# Altium PCB PCB.PcbDoc (part 1 of 5) (continued)
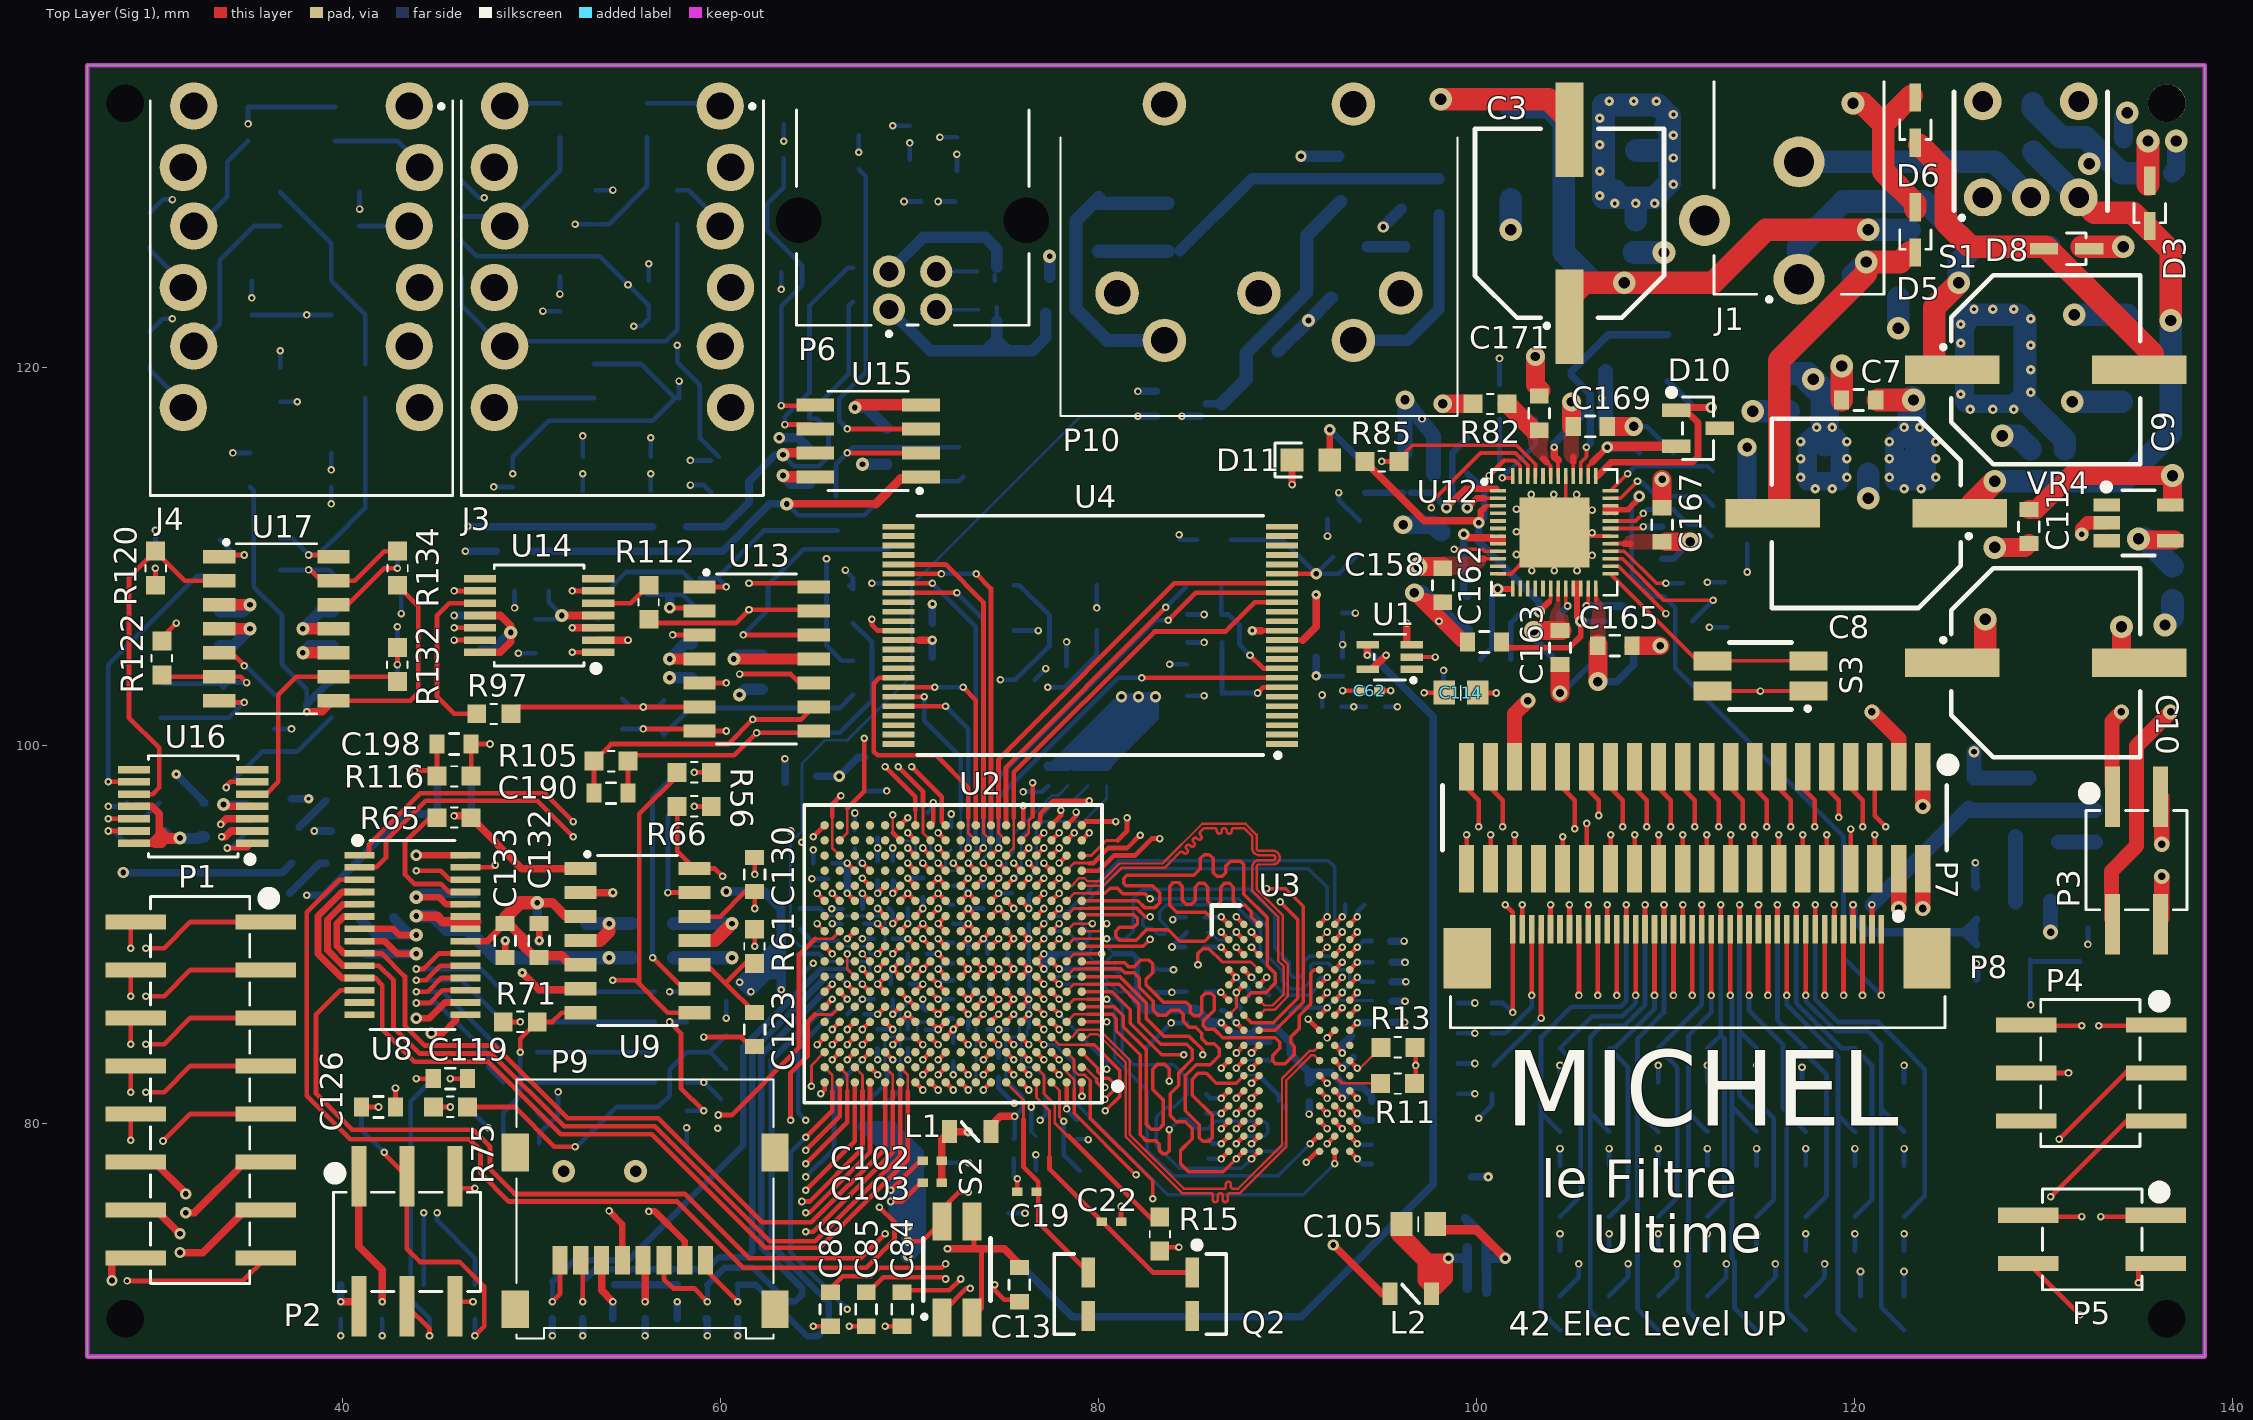
[diagram p0: Top Layer (Sig 1) view]
## Classes and differential pairs
net class MMC: SD_CLK SD_CMD SD_DAT0 SD_DAT1 SD_DAT2 SD_DAT3
net class DIFF100: ACK_N ACK_P ADQSL_N ADQSL_P ADQSU_N ADQSU_P DML
net class CTRL: #CAS #CS #RAS #RESET #WE A0 A1 A2 A3 A4 A5 A6 A7 A8 A9 A10 A11 A12 A13 A14 A15 BA0 BA1 BA2 CKE ODT
net class BANK1: ADQSU_N ADQSU_P DMU DQ8 DQ9 DQ10 DQ11 DQ12 DQ13 DQ14 DQ15
net class BANK0: ADQSL_N ADQSL_P DML DQ0 DQ1 DQ2 DQ3 DQ4 DQ5 DQ6 DQ7
net class CLOCK: ACK_N ACK_P
net class SBS: SB_N SB_P
component class Alimentation: C1 C2 C3 C4 C5 C6 C7 C8 C9 C10 C11 C12 D1 D2 D3 D4 D5 D6 D7 D8 J1 S1 VR1 VR2 VR3 VR4
net class LCD_R[0..7]: LCD_R0 LCD_R1 LCD_R2 LCD_R3 LCD_R4 LCD_R5 LCD_R6 LCD_R7
net class LCD_G[0..7]: LCD_G0 LCD_G1 LCD_G2 LCD_G3 LCD_G4 LCD_G5 LCD_G6 LCD_G7
net class LCD_B[0..7]: LCD_B0 LCD_B1 LCD_B2 LCD_B3 LCD_B4 LCD_B5 LCD_B6 LCD_B7
component class USB: C115 P6 U7
component class PMIC: C158 C159 C160 C161 C162 C163 C164 C165 C166 C167 C168 C169 C170 C171 C172 C173 C174 C175 D10 D11 L5 L6 L7 L8 R81 R82 R83 R84 R85 R86 R87 R88 R89 S3 U12
component class "Part C (Alim)": C49 C50 C51 C52 C53 C54 C55 C56 C57 C58 C59 C60 C61 C62 C63 C64 C65 C66 C67 C68 C69 C70 C71 C72 C73 C74 C75 C76 C77 C78 C79 C80 C81 C82 C83 C84 C85 C86 C87 C88 C89 C90 C91 C92 C93 C94 C95 C96 C97 C98 C99 C100 C101 C102 C103 C104 C105 C106 C107 C108 C109 C110 C111 C112 C113 C114 L1 L2 L3 R15
component class "Part B": C43 C44 C45 C46 C47 C48 P5 U5
component class "Part A": C13 C14 C15 C16 C17 C18 C19 C20 C21 C22 C23 C24 C25 C26 C27 C28 C29 C30 C31 C32 C33 C34 C35 C36 C37 C38 C39 C40 C41 C42 P4 Q1 R3 R4 R5 R6 R7 R8 R9 R10 R11 R12 R13 R14 R138 R139 R321 R322 R323 S2 U1 U2 U3 U4
component class MMC: C117 C118 L4 P9 R52 R53 R54 R55
component class "MIDI IN": D9 P10 R78 R79 R80 U11
component class LCD: C116 P7 P8 Q3 Q4 R16 R17 R18 R19 R20 R21 R22 R23 R24 R25 R26 R27 R28 R29 R30 R31 R32 R33 R34 R35 R36 R37 R38 R39 R40 R41 R42 R43 R44 R45 R46 R47 R48 R49 R50 R51
component class "Codec Audio": C119 C120 C121 C122 C123 C124 C125 C126 C127 C128 C129 C130 C131 C132 C133 C134 C135 C136 C137 C138 C139 C140 C141 C142 C143 C144 R56 R57 R58 R59 R60 R61 R62 R63 R64 R65 R66 R67 R68 R69 R70 R71 R72 R73 R74 R75 U8 U9
component class "Audio IN": C176 C177 C178 C179 C180 C181 C182 C183 C184 C185 C186 C187 C188 C189 C190 C191 C192 C193 C194 C195 C196 C197 C198 J3 R90 R91 R92 R93 R94 R95 R96 R97 R98 R99 R100 R101 R102 R103 R104 R105 R106 R107 R108 R109 R110 R111 R112 R113 R114 R115 R116 U13 U14 U15 "U20_Audio IN"
component class "Audio OUT": C199 C200 C201 C202 C203 C204 C205 C206 C207 C208 C209 J4 R117 R118 R119 R120 R121 R122 R123 R124 R125 R126 R127 R128 R129 R130 R131 R132 R133 R134 R135 R136 R137 U16 U17 "U20_Audio OUT"
component class P0_Main_Connect: P1 P2 P3 R1 R2
differential pair ADQSU: +ADQSU_P -ADQSU_N
differential pair ADQSL: +ADQSL_P -ADQSL_N
differential pair ACK: +ACK_P -ACK_N
differential pair SB: +SB_P -SB_N

## Components (designator, comment, footprint, x,y, rotation, side; value= is the part's Value field where it differs from the comment)
C1 "10uF" CAPC1608X08 133.2,132.2 r180 bottom
C2 "22uF" CAPC1608X08 130.2,115.7 r0 bottom
C3 "470uF" CAPC100100X102 104.9,127.653 r90 top
C4 "10uF" CAPC1608X08 135.8,130.3 r180 bottom
C5 "22uF" CAPC1608X08 116.5,118.6 r90 bottom
C6 "0.47uF" CAPC1608X08 108.4,126.8 r90 bottom
C7 "22uF" CAPC1608X08 120.2,118.3 r0 top
C8 "470uF" CAPC100100X102 120.6,112.3 r180 top
C9 "470uF" CAPC100100X102 130.1,119.9 r0 top
C10 "470uF" CAPC100100X102 130.1,104.4 r0 top
C11 "1uF" CAPC1608X08 129.2,111.6 r90 top
C12 "22uF" CAPC1608X08 136.8,108.6 r90 bottom
C13 "1uF" CAPC1608X08 75.8,71.5 r90 top
C14 "100nF" "CAPC1005X05 (0402)" 94.45,80.7 r90 bottom
C15 "18pF" "CAPC1005X05 (0402)" 78.3,103.7 r90 bottom
C16 "100nF" "CAPC1005X05 (0402)" 85.1,85.35 r180 bottom
C17 "100nF" "CAPC1005X05 (0402)" 91.125,81.675 r270 bottom
C18 "18pF" "CAPC1005X05 (0402)" 76.1,103.5 r0 bottom
C19 "12pF" "CAPC1005X05 (0402)" 76.2,76.425 r180 top
C20 "100nF" "CAPC1005X05 (0402)" 88.5,86.85 r0 bottom
C21 "100nF" "CAPC1005X05 (0402)" 95.025,87.525 r180 bottom
C22 "12pF" "CAPC1005X05 (0402)" 80.675,74.825 r0 top
C23 "100nF" "CAPC1005X05 (0402)" 85.175,91 r0 bottom
C24 "100nF" "CAPC1005X05 (0402)" 75.775,87.375 r0 bottom
C25 "100nF" "CAPC1005X05 (0402)" 87.025,86.075 r180 bottom
C26 "100nF" "CAPC1005X05 (0402)" 85.175,90.15 r0 bottom
C27 "100nF" "CAPC1005X05 (0402)" 85.15,87.025 r0 bottom
C28 "100nF" "CAPC1005X05 (0402)" 85.175,89.3 r0 bottom
C29 "100nF" "CAPC1005X05 (0402)" 94.95,89.675 r180 bottom
C30 "100nF" "CAPC1005X05 (0402)" 95,88.55 r180 bottom
C31 "100nF" "CAPC1005X05 (0402)" 95,85.35 r180 bottom
C32 "100nF" "CAPC1005X05 (0402)" 85.85,78.65 r90 bottom
C33 "100nF" "CAPC1005X05 (0402)" 95,86.5 r180 bottom
C34 "100nF" "CAPC1005X05 (0402)" 94.45,78.4 r90 bottom
C35 "100nF" "CAPC1005X05 (0402)" 93.55,91.6 r180 bottom
C36 "100nF" "CAPC1005X05 (0402)" 89.075,83.875 r270 bottom
C37 "100nF" "CAPC1005X05 (0402)" 93.525,84.1 r270 bottom
C38 "100nF" "CAPC1005X05 (0402)" 85.625,81.075 r270 bottom
C39 "100nF" CAPC1608X08 92.1,111.1 r270 bottom
C40 "100nF" CAPC1608X08 71.2,105.6 r270 bottom
C41 "100nF" CAPC1608X08 91.5,105.6 r90 bottom
C42 "100nF" "CAPC1005X05 (0402)" 82.47,86.99 r180 bottom
C43 "1nF" CAPC1608X08 99.9,83.2 r0 bottom
C44 "1nF" CAPC1608X08 99.9,81.6 r0 bottom
C45 "1nF" CAPC1608X08 99.9,84.8 r0 bottom
C46 "1nF" CAPC1608X08 99.9,86.4 r0 bottom
C47 "10nF" "CAPC1005X05 (0402)" 100,72.3 r180 bottom
C48 "100nF" "CAPC1005X05 (0402)" 100,73.5 r180 bottom
C49 "100nF" "CAPC1005X05 (0402)" 67.1,91.4 r0 bottom
C50 "100nF" "CAPC1005X05 (0402)" 75.875,92.2 r0 bottom
C51 "22uF/6.3V" "0805 (2012 metric)" 99.125,102.825 r180 bottom
C52 "100nF" "CAPC1005X05 (0402)" 68.675,89.8 r0 bottom
C53 "100nF" "CAPC1005X05 (0402)" 72.325,88.1 r270 bottom
C54 "100nF" "CAPC1005X05 (0402)" 94.325,102.925 r0 bottom
C55 "100nF" "CAPC1005X05 (0402)" 73.775,87.4 r0 bottom
C56 "100nF" "CAPC1005X05 (0402)" 72.325,90.125 r90 bottom
C57 "100nF" "CAPC1005X05 (0402)" 73.75,89 r0 bottom
C58 "100nF" "CAPC1005X05 (0402)" 69.475,91.4 r180 bottom
C59 "100nF" "CAPC1005X05 (0402)" 92.9,106.525 r270 bottom
C60 "100nF" "CAPC1005X05 (0402)" 72.3,92.1 r90 bottom
C61 "100nF" "CAPC1005X05 (0402)" 70.325,89 r180 bottom
C62 "100nF" "CAPC1005X05 (0402)" 94.325,102.925 r0 top
C63 "100nF" "CAPC1005X05 (0402)" 92.325,102.075 r180 bottom
C64 "100nF" "CAPC1005X05 (0402)" 92.9,104.2 r90 bottom
C65 "100nF" "CAPC1005X05 (0402)" 67.1,90.6 r0 bottom
C66 "100nF" "CAPC1005X05 (0402)" 67.1,95.1 r270 bottom
C67 "100nF" "CAPC1005X05 (0402)" 80.425,98.4 r270 bottom
C68 "100nF" "CAPC1005X05 (0402)" 72.3,86.225 r270 bottom
C69 "100nF" "CAPC1005X05 (0402)" 71.191,77.956 r0 bottom
C70 "100nF" "CAPC1005X05 (0402)" 78.381,98.409 r270 bottom
C71 "100nF" "CAPC1005X05 (0402)" 63.7,89 r0 bottom
C72 "100nF" "CAPC1005X05 (0402)" 63.7,90.3 r0 bottom
C73 "100nF" "CAPC1005X05 (0402)" 78.85,79.7 r90 bottom
C74 "100nF" "CAPC1005X05 (0402)" 68.6,80.4 r90 bottom
C75 "100nF" "CAPC1005X05 (0402)" 68.65,86.6 r0 bottom
C76 "100nF" "CAPC1005X05 (0402)" 67.5,80.4 r90 bottom
C77 "100nF" "CAPC1005X05 (0402)" 69.5,87.4 r180 bottom
C78 "100nF" "CAPC1005X05 (0402)" 69.9,84.525 r90 bottom
C79 "100nF" "CAPC1005X05 (0402)" 70.85,85.425 r270 bottom
C80 "100nF" "CAPC1005X05 (0402)" 70.775,92.6 r90 bottom
C81 "100nF" "CAPC1005X05 (0402)" 73.9,91.8 r90 bottom
C82 "100nF" "CAPC1005X05 (0402)" 69.1,93.425 r270 bottom
C83 "22uF/6.3V" "0805 (2012 metric)" 64.3,98.1 r180 bottom
C84 "1uF" CAPC1608X08 69.6,70.2 r90 top
C85 "1uF" CAPC1608X08 67.7,70.2 r90 top
C86 "1uF" CAPC1608X08 65.8,70.2 r90 top
C87 "100nF" "CAPC1005X05 (0402)" 67.175,85.825 r180 bottom
C88 "100nF" "CAPC1005X05 (0402)" 73.55,85 r180 bottom
C89 "100nF" "CAPC1005X05 (0402)" 68.275,84.525 r90 bottom
C90 "100nF" "CAPC1005X05 (0402)" 68.3,93.4 r270 bottom
C91 "100nF" "CAPC1005X05 (0402)" 68.675,95.325 r0 bottom
C92 "100nF" "CAPC1005X05 (0402)" 65.55,93.8 r0 bottom
C93 "100nF" "CAPC1005X05 (0402)" 63.7,91.5 r0 bottom
C94 "100nF" "CAPC1005X05 (0402)" 66.225,92.975 r0 bottom
C95 "22uF/6.3V" "0805 (2012 metric)" 67.6,98.5 r270 bottom
C96 "100nF" "CAPC1005X05 (0402)" 77.325,98.4 r90 bottom
C97 "100nF" "CAPC1005X05 (0402)" 79.425,98.4 r90 bottom
C98 "100nF" "CAPC1005X05 (0402)" 75.5,78.7 r270 bottom
C99 "100nF" "CAPC1005X05 (0402)" 72.3,83.775 r90 bottom
C100 "100nF" "CAPC1005X05 (0402)" 63.7,88 r0 bottom
C101 "100nF" "CAPC1005X05 (0402)" 70.8,95.8 r270 bottom
C102 "100nF" "CAPC1005X05 (0402)" 71.191,78.043 r0 top
C103 "100nF" "CAPC1005X05 (0402)" 71.192,76.9 r0 top
C104 "100nF" "CAPC1005X05 (0402)" 100.008,71.1 r180 bottom
C105 "22uF/6.3V" "0805 (2012 metric)" 96.9,74.7 r180 top
C106 "10nF" "CAPC1005X05 (0402)" 74.7,83.025 r270 bottom
C107 "1uF" CAPC1608X08 76.675,78.45 r270 bottom
C108 "10nF" "CAPC1005X05 (0402)" 72.2,95.025 r90 bottom
C109 "100nF" "CAPC1005X05 (0402)" 75.75,90.6 r0 bottom
C110 "100nF" "CAPC1005X05 (0402)" 75.75,85 r0 bottom
C111 "100nF" "CAPC1005X05 (0402)" 75.75,88.975 r0 bottom
C112 "100nF" "CAPC1005X05 (0402)" 77.2,81.9 r90 bottom
C113 "100nF" "CAPC1005X05 (0402)" 94.65,102.075 r0 bottom
C114 "22uF/6.3V" "0805 (2012 metric)" 99.15,102.8 r180 top
C115 "0.1uF" CAPC1608X08 77.4,123.8 r90 bottom
C116 "Cap" CAPC1608X08 126.425,88.575 r90 bottom
C117 "Cap" CAPC1608X08 57.7,70.6 r90 bottom
C118 "Cap" CAPC1608X08 54.3,70.6 r270 bottom
C119 "470pF" CAPC1608X08 45.7,82.4 r180 top
C120 "330pF" CAPC1608X08 45.9,98.1 r180 bottom
C121 "1500pF" CAPC1608X08 58.2,79.8 r90 bottom
C122 "10uF" CAPC1608X08 38.2,93.8 r180 bottom
C123 "470pF" CAPC1608X08 61.8,85 r270 top
C124 "0.1uF" CAPC1608X08 50.4,89.7 r270 bottom
C125 "330pF" CAPC1608X08 49.4,80.6 r0 bottom
C126 "470pF" CAPC1608X08 41.9,80.9 r180 top
C127 "10uF" CAPC1608X08 38.2,97.2 r180 bottom
C128 "1500pF" CAPC1608X08 60.275,82.225 r270 bottom
C129 "0.1uF" CAPC1608X08 48.6,89.7 r270 bottom
C130 "470pF" CAPC1608X08 61.8,93.2 r90 top
C131 "10uF" CAPC1608X08 55.3,89.7 r270 bottom
C132 "10uF" CAPC1608X08 50.4,89.7 r90 top
C133 "0.1uF" CAPC1608X08 48.6,89.7 r90 top
C134 "10uF" CAPC1608X08 40.9,90 r270 bottom
C135 "0.1uF" CAPC1608X08 42.7,90 r90 bottom
C136 "10uF" CAPC1608X08 45.2,91.4 r270 bottom
C137 "0.1uF" CAPC1608X08 47,91.4 r90 bottom
C138 "0.1uF" CAPC1608X08 52.9,89.7 r90 bottom
C139 "10uF" CAPC1608X08 59.4,89.7 r90 bottom
C140 "0.1uF" CAPC1608X08 57.5,89.7 r270 bottom
C141 "10uF" CAPC1608X08 49.4,85.4 r180 bottom
C142 "10uF" CAPC1608X08 49.4,87 r180 bottom
C143 "10uF" CAPC1608X08 49.4,82.2 r180 bottom
C144 "10uF" CAPC1608X08 49.4,83.8 r180 bottom
C158 "Cap" CAPC1608X08 98.2,108.5 r90 top
C159 "Cap" CAPC1608X08 103.1,118.2 r270 bottom
C160 "Cap" CAPC1608X08 101.2,118.2 r270 bottom
C161 "Cap" CAPC1608X08 99.4,107 r90 bottom
C162 "Cap" CAPC1608X08 100.4,105.5 r0 top
C163 "Cap" CAPC1608X08 104.4,105.2 r270 top
C164 "Cap" CAPC1608X08 106.6,105.5 r90 bottom
C165 "Cap" CAPC1608X08 107.3,105.3 r0 top
C166 "Cap" CAPC1608X08 113.4,110.7 r180 bottom
C167 "Cap" CAPC1608X08 109.8,111.7 r90 top
C168 "Cap" CAPC1608X08 105.9,119.8 r180 bottom
C169 "Cap" CAPC1608X08 106,116.9 r180 top
C170 "Cap" CAPC1608X08 105.9,116.9 r180 bottom
C171 "Cap" CAPC1608X08 103.3,117.6 r270 top
C172 "Cap" CAPC1608X08 109.5,115.6 r180 bottom
C173 "Cap" CAPC1608X08 98.6,116.3 r0 bottom
C174 "Cap" CAPC1608X08 98.6,114.4 r180 bottom
C175 "Cap" CAPC1608X08 96.1,114.3 r90 bottom
C176 "100pF" CAPC1608X08 58.9,108 r90 bottom
C177 "100pF" CAPC1608X08 71,114.9 r270 bottom
C178 "10uF" CAPC1608X08 53.3,119.3 r270 bottom
C179 "100pF" CAPC1608X08 72.5,131.3 r90 bottom
C180 "22uF" CAPC1608X08 49.025,110.3 r0 bottom
C181 "220pF" CAPC1608X08 57.8,119.3 r90 bottom
C182 "100pF" CAPC1608X08 71.5,128.8 r180 bottom
C183 "10uF" CAPC1608X08 53.3,128.5 r270 bottom
C184 "100pF" CAPC1608X08 54.8,101.6 r270 bottom
C185 "0.1uF" CAPC1608X08 64.7,114.8 r90 bottom
C186 "0.1uF" CAPC1608X08 58.5,104.5 r270 bottom
C187 "0.1uF" CAPC1608X08 47.3,105.8 r90 bottom
C188 "0.1uF" CAPC1608X08 62.2,104 r90 bottom
C189 "0.1uF" CAPC1608X08 68.8,115.9 r90 bottom
C190 "100pF" CAPC1608X08 54.2,97.5 r0 top
C191 "100pF" CAPC1608X08 64.7,118.2 r270 bottom
C192 "10uF" CAPC1608X08 46.05,125.8 r270 bottom
C193 "100pF" CAPC1608X08 70,131.9 r90 bottom
C194 "22uF" CAPC1608X08 57.3,111.6 r0 bottom
C195 "220pF" CAPC1608X08 56.3,123.7 r90 bottom
C196 "100pF" CAPC1608X08 68.9,109.5 r90 bottom
C197 "10uF" CAPC1608X08 46.05,129 r270 bottom
C198 "100pF" CAPC1608X08 45.9,100.1 r0 top
C199 "22uF" CAPC1608X08 39.4,114.6 r270 bottom
C200 "100pF" CAPC1608X08 33.5,102.39 r90 bottom
C201 "100pF" CAPC1608X08 30.1,109.4 r270 bottom
C202 "22uF" CAPC1608X08 36.7,119.1 r270 bottom
C203 "22uF" CAPC1608X08 35.1,114.6 r270 bottom
C204 "100pF" CAPC1608X08 39.523,110.01 r270 bottom
C205 "100pF" CAPC1608X08 42.9,104.3 r270 bottom
C206 "22uF" CAPC1608X08 41.2,119.3 r270 bottom
C207 "0.1uF" CAPC1608X08 33.5,106.2 r90 bottom
C208 "0.1uF" CAPC1608X08 32.5,96.1 r90 bottom
C209 "0.1uF" CAPC1608X08 39.5,106.2 r90 bottom
D1 "1N4148WS-7" SOD323-M 129.2,132.4 r270 bottom
D2 "1N4148WS-7" SOD323-M 123.8,127.5 r0 bottom
D3 "1N4148WS-7" SOD323-M 135.6,128.7 r90 top
D4 "1N4148WS-7" SOD323-M 131.2,126.3 r0 bottom
D5 "1N4148WS-7" SOD323-M 123.2,127.3 r90 top
D6 "1N4148WS-7" SOD323-M 123.2,133.1 r90 top
D7 "1N4148WS-7" SOD323-M 121.099,124 r180 bottom
D8 "1N4148WS-7" SOD323-M 131.2,126.3 r180 top
D9 "1N4148WS-7" SOD323-M 80,127.8 r90 bottom
D10 "D Zener" MF03A-M 111.7,116.8 r270 top
D11 "Blanc" LED_LNJ 91.225,115.125 r0 top
J1 "9VAC Input" "CLIFF ELECTRONIC COMPONENTS_FC681465P" 117.043,130.891 r270 top
J2 "Pad traversant" Pad 79,77.525 r180 bottom
J3 "Double Jack" Amphenol_ACJS-MHDC 54.275,125.628 r90 top locked
J4 "Double Jack" Amphenol_ACJS-MHDC 37.825,125.628 r90 top locked
L1 "FB0805/600R/2A" IND2012X8 74.3,79.6 r180 top
L2 "FB0805/600R/2A" IND2012X8 97.6,71.013 r180 top
L3 "FB0805/600R/2A" IND2012X8 99.4,75 r90 bottom
L4 "Inductor" INDM1608X08N 56,70.6 r90 bottom
L5 "Inductor" INDM1608X08N 104.4,105.2 r270 bottom
L6 "Inductor" INDM1608X08N 108.3,106.3 r270 bottom
L7 "Inductor" INDM1608X08N 109.8,110.8 r270 bottom
L8 "Inductor" INDM2612X12N 110.1,120.6 r270 bottom
P1 "Header 8X2" CONN_1241050-8_T 32.5,81.8 r270 top locked
P2 "Header 3X2" CONN_1241050-3_T 43.4,73.8 r0 top locked
P3 "Header 2X2" CONN_1241050-2_T 134.9,94 r180 top
P4 "Header" CONN_1241050-3_T 132.5,82.7 r270 top
P5 "Header" CONN_1241050-2_T 132.6,73.9 r90 top
P6 "1734346-1" CONN4-292304 71.405,121.646 r180 top locked
P7 "MALE-PA16X" MALE-PAV16X-2x05 111.525,96.2 r270 top locked
P8 "4-1734592-0" TE_4-1734592-0 101.9,89.792 r180 top locked
P9 "MICRO_SD" "WURTH ELEKTRONIK_693072010801" 56,72.8 r0 top locked
P10 "DIN 5" "PRO SIGNAL_PSG03463" 88.475,129.45 r0 top locked
Q1 "OSC0/24MHz" SON440P360X120-4N 77.7,107.3 r270 bottom
Q2 "OSC1/32,768KHz" SON550P380X250-4N 82.2,71 r270 top
Q3 "NPN" SOT95P234X111-3N 129.425,90.175 r270 bottom
Q4 "PNP" SOT95P234X111-3N 129.475,96.6 r90 bottom
R1 "Res1" RESC1608X05 44.6,70.6 r90 bottom
R2 "Res1" RESC1608X05 47,70.6 r90 bottom
R3 "Res2" RESC1608X05 75.125,74.45 r90 bottom
R4 "2.2K 1%" RESC1608X05 90.13,84.98 r90 bottom
R5 "2.2K 1%" RESC1608X05 82.41,84.96 r90 bottom
R6 "Res1" RESC1608X05 85.6,102.625 r0 bottom
R7 "Res1" RESC1608X05 85.575,105.475 r180 bottom
R8 "Res1" RESC1608X05 85.6,104.025 r0 bottom
R9 "Res1" RESC1608X05 85.575,106.95 r180 bottom
R10 "Res1" RESC1608X05 93.8,111 r270 bottom
R11 "240 1%" RESC1608X05 95.81,82.15 r0 top
R12 "10K" RESC1608X05 89.88,79.94 r90 bottom
R13 "10K" RESC1608X05 95.83,84.05 r180 top
R14 "49.9R 1%" RESC1608X05 82.145,88.155 r180 bottom
R15 "10K" RESC1608X05 83.225,74.175 r90 top
R16 "Res1" RESC1608X05 132.325,89.475 r270 bottom
R17 "Res1" RESC1608X05 126.25,97.5 r270 bottom
R18 "Res1" RESC1608X05 132.725,95.775 r90 bottom
R19 "Res1" RESC1608X05 126.425,91.7 r270 bottom
R20 "Res1" RESC1608X05 122.6,74.2 r270 bottom
R21 "Res1" RESC1608X05 122.597,70 r90 bottom
R22 "Res1" RESC1608X05 120,83.1 r270 bottom
R23 "Res1" RESC1608X05 119.997,70 r90 bottom
R24 "Res1" RESC1608X05 117.4,74.2 r270 bottom
R25 "Res1" RESC1608X05 117.397,70 r90 bottom
R26 "Res1" RESC1608X05 114.8,74.2 r270 bottom
R27 "Res1" RESC1608X05 114.797,70 r90 bottom
R28 "Res1" RESC1608X05 112.2,74.2 r270 bottom
R29 "Res1" RESC1608X05 112.2,78.7 r270 bottom
R30 "Res1" RESC1608X05 109.6,74.2 r270 bottom
R31 "Res1" RESC1608X05 109.6,70 r90 bottom
R32 "Res1" RESC1608X05 106.997,74.2 r270 bottom
R33 "Res1" RESC1608X05 107,70.007 r90 bottom
R34 "Res1" RESC1608X05 104.4,83.1 r270 bottom
R35 "Res1" RESC1608X05 104.397,70 r90 bottom
R36 "Res1" RESC1608X05 122.6,83.1 r90 bottom
R37 "Res1" RESC1608X05 122.6,78.7 r90 bottom
R38 "Res1" RESC1608X05 120,74.2 r90 bottom
R39 "Res1" RESC1608X05 120,78.7 r90 bottom
R40 "Res1" RESC1608X05 117.2,83 r90 bottom
R41 "Res1" RESC1608X05 117.4,78.7 r90 bottom
R42 "Res1" RESC1608X05 114.8,83.1 r90 bottom
R43 "Res1" RESC1608X05 114.8,78.7 r90 bottom
R44 "Res1" RESC1608X05 112.2,83.1 r90 bottom
R45 "Res1" RESC1608X05 112.2,70 r270 bottom
R46 "Res1" RESC1608X05 109.6,83.1 r90 bottom
R47 "Res1" RESC1608X05 109.6,78.7 r90 bottom
R48 "Res1" RESC1608X05 107,83.1 r90 bottom
R49 "Res1" RESC1608X05 107,78.7 r90 bottom
R50 "Res1" RESC1608X05 104.4,74.2 r90 bottom
R51 "Res1" RESC1608X05 104.4,78.7 r90 bottom
R52 "Res1" RESC1608X05 59.3,70.6 r90 bottom
R53 "Res1" RESC1608X05 52.7,70.6 r90 bottom
R54 "Res1" RESC1608X05 51.1,70.6 r90 bottom
R55 "Res1" RESC1608X05 60.9,70.6 r90 bottom
R56 "7.5k" RESC1608X05 58.6,98.6 r180 top
R57 "10k" RESC1608X05 57.3,85.4 r0 bottom
R58 "820" RESC1608X05 58.6,98.6 r180 bottom
R59 "100" RESC1608X05 45.7,82.4 r180 bottom
R60 "10k" RESC1608X05 57.3,87 r0 bottom
R61 "820" RESC1608X05 61.8,89.4 r270 top
R62 "10k" RESC1608X05 45.9,96.4 r0 bottom
R63 "7.5k" RESC1608X05 45.7,80.9 r180 bottom
R64 "20k" RESC1608X05 38.1,92.1 r0 bottom
R65 "1k" RESC1608X05 45.9,96.2 r180 top
R66 "7.5k" RESC1608X05 58.6,96.8 r180 top
R67 "10k" RESC1608X05 49.5,79 r180 bottom
R68 "10k" RESC1608X05 57.3,82.2 r0 bottom
R69 "820" RESC1608X05 58.6,96.8 r180 bottom
R70 "20k" RESC1608X05 38.5,95.5 r0 bottom
R71 "1k" RESC1608X05 49.4,85.4 r180 top
R72 "100" RESC1608X05 41.9,80.9 r180 bottom
R73 "10k" RESC1608X05 57.3,83.8 r0 bottom
R74 "820" RESC1608X05 60.3,85.6 r90 bottom
R75 "7.5k" RESC1608X05 45.7,80.9 r180 top
R78 "220" RESC1608X05 98,129 r90 bottom
R79 "470" RESC1608X05 88.7,120.7 r0 bottom
R80 "1k" RESC1608X05 96.2,127.3 r270 bottom
R81 "Res1" RESC1608X05 98.2,110.4 r270 bottom
R82 "Res1" RESC1608X05 100.7,118.1 r0 top
R83 "Res1" RESC1608X05 112.2,108.7 r0 bottom
R84 "Res1" RESC1608X05 112.3,106.3 r0 bottom
R85 "Res1" RESC1608X05 94.975,115.05 r180 top
R86 "Res1" RESC1608X05 101.1,104.6 r0 bottom
R87 "Res1" RESC1608X05 113.4,112.7 r180 bottom
R88 "Res1" RESC1608X05 113.4,114.5 r180 bottom
R89 "Res1" RESC1608X05 94.1,114.3 r90 bottom
R90 "10k" RESC1608X05 55,108.3 r180 bottom
R91 "10k" RESC1608X05 66.2,112.2 r90 bottom
R92 "10k" RESC1608X05 72.8,114.9 r270 bottom
R93 "100k" RESC1608X05 51.5,123.9 r270 bottom
R94 "10k" RESC1608X05 49,114.4 r90 bottom
R95 "100k" RESC1608X05 56.1,133.1 r90 bottom
R96 "10k" RESC1608X05 59.9,114.4 r270 bottom
R97 "220" RESC1608X05 48,101.7 r0 top
R98 "10k" RESC1608X05 67,103.6 r270 bottom
R99 "10k" RESC1608X05 67.3,131.4 r90 bottom
R100 "100k" RESC1608X05 42.1,70.6 r270 bottom
R101 "10k" RESC1608X05 57,101.5 r270 bottom
R102 "0R" RESC1608X05 53.5,105.8 r90 bottom
R103 "0R" RESC1608X05 50.2,105.8 r90 bottom
R104 "0R" RESC1608X05 50,108.2 r0 bottom
R105 "10k" RESC1608X05 54.2,99.2 r0 top
R106 "10k" RESC1608X05 67,107.4 r90 bottom
R107 "10k" RESC1608X05 66.725,124.4 r270 bottom
R108 "100k" RESC1608X05 57.7,128.5 r270 bottom
R109 "10k" RESC1608X05 56.3,114.4 r90 bottom
R110 "100k" RESC1608X05 51.5,133.1 r90 bottom
R111 "10k" RESC1608X05 52.7,114.4 r270 bottom
R112 "220" RESC1608X05 56.2,107.6 r270 top
R113 "10k" RESC1608X05 63.2,124.15 r90 bottom
R114 "10k" RESC1608X05 63.343,131.991 r90 bottom
R115 "100k" RESC1608X05 39.9,70.6 r270 bottom
R116 "10k" RESC1608X05 45.9,98.4 r0 top
R117 "1k" RESC1608X05 33.5,109.9 r90 bottom
R118 "150" RESC1608X05 29.5,127.3 r90 bottom
R119 "100k" RESC1608X05 40.9,128.4 r270 bottom
R120 "100k" RESC1608X05 30.1,109.4 r90 top
R121 "10k" RESC1608X05 30.45,102.425 r270 bottom
R122 "10k" RESC1608X05 30.45,104.65 r270 top
R123 "150" RESC1608X05 29.5,120.9 r90 bottom
R124 "4.7k" RESC1608X05 36.4,101.8 r90 bottom
R125 "100k" RESC1608X05 35.2,123.7 r270 bottom
R126 "0R" RESC1608X05 30.3,96.1 r90 bottom
R127 "0R" RESC1608X05 35.1,96.2 r90 bottom
R128 "0R" RESC1608X05 28.6,96.1 r90 bottom
R129 "1k" RESC1608X05 39.4,102.4 r90 bottom
R130 "150" RESC1608X05 35,132.9 r90 bottom
R131 "100k" RESC1608X05 39.6,132.9 r270 bottom
R132 "100k" RESC1608X05 42.9,104.3 r270 top
R133 "10k" RESC1608X05 36.5,110.3 r90 bottom
R134 "10k" RESC1608X05 42.9,109.4 r90 top
R135 "150" RESC1608X05 36.7,128.4 r90 bottom
R136 "4.7k" RESC1608X05 42.9,109.4 r90 bottom
R137 "100k" RESC1608X05 39.4,123.7 r270 bottom
R138 "Res1" RESC1608X05 85.575,108.375 r0 bottom
R139 "Res1" RESC1608X05 86.1,110.9 r0 bottom
S1 "SW-SPDT" C&K_TS01ABE 129.303,129.011 r0 top locked
S2 "KMR211G-LFS" C&K_KMR211G 72.5,72.3 r90 top
S3 "KMR211G-LFS" C&K_KMR211G 115,103.7 r180 top
U1 "SN74LVC1G07DCKR" DCK5 95.4,104.7 r180 top
U2 "AM3352BZCZD80" ZCZ324 72.3,89 r180 top
U3 "K4B4G1646D" BGA96C80P16X6_133X75X11 90.08,84.555 r0 top locked
U4 "MT29F64G08CBABAWP" TSSOP50P2000X120-48N 40.15,128.85 r180 top
U5 "SN74LVC1G07DCKR" DCK5 84.235,118.1 r180 bottom
U7 "TPD4E1U06DBVR" DBV6-M 74.6,123.9 r270 bottom
U8 "PCM3060" TSSOP28_PCM3060 43.7,90 r270 top locked
U9 "OPA1654" D14-M 55.6,89.7 r0 top locked
U11 "6N139" SOIC127P970X356-8N 88.5,127.5 r0 bottom
U12 "TPS65217CRSLT" CRSLT 104.1,111.3 r0 top
U13 "OPA1654" D14-M 61.9,104.6 r0 top locked
U14 "MCP4661" TSSOP14_MC-M 50.4,106.9 r180 top locked
U15 "NE5532" D8-M 67.8,116.135 r180 top
U16 "MCP4661" TSSOP14_MC-M 32.1,96.8 r180 top locked
U17 "OPA1654" D14-M 36.5,106.2 r0 top locked
VR1 "LM1117MP-5.0" MP04A 130.8,120.5 r180 bottom
VR2 "LM1117MP-5.0" MP04A 105.1,131.5 r0 bottom
VR3 "TS2940CW-3.3 RP" SOT230P715X180-4N 120.7,112.1 r270 bottom
VR4 "MIC5270-5.0BM5" SOT95P280X130-5N 135,111.8 r0 top

## Footprints (in the part's own frame and the unit in brackets; to place one, negate y for a bottom-side part, rotate by r counter-clockwise, add the part's x,y. Pads: shape width x height; smd on the part's side, far side on the other; paste and mask are expansions set on the pad)
"0805 (2012 metric)" [mil] "decouplage"
  rect 45x50 smd mask+2: 1(-35.23,-0.5) 2(34.77,-0.5)
  silkscreen extent 0,-15 0,15
Amphenol_ACJS-MHDC [mm] "Through-Hole_12"
  round 2.5 hole 1.45: 1(8.223,-5.7) 2(1.873,-5.7) 3(-4.477,-5.7) 4(8.223,5.7) 5(1.873,5.7) 6(-4.477,5.7) 7(4.972,-6.25) 8(-1.378,-6.25) 9(-7.728,-6.25) 10(4.972,6.25) 11(-1.378,6.25) 12(-7.728,6.25)
  silkscreen extent -12.38,-8 8.5,8, body extent -12.3,-8 21.2,8, height 29.32
BGA96C80P16X6_133X75X11 [mm]
  round 0.4 smd: A1(-3.2,6) A2(-2.4,6) A3(-1.6,6) A7(1.6,6) A8(2.4,6) A9(3.2,6) B1(-3.2,5.2) B2(-2.4,5.2) B3(-1.6,5.2) B7(1.6,5.2) B8(2.4,5.2) B9(3.2,5.2) C1(-3.2,4.4) C2(-2.4,4.4) C3(-1.6,4.4) C7(1.6,4.4) C8(2.4,4.4) C9(3.2,4.4) D1(-3.2,3.6) D2(-2.4,3.6) D3(-1.6,3.6) D7(1.6,3.6) D8(2.4,3.6) D9(3.2,3.6) E1(-3.2,2.8) E2(-2.4,2.8) E3(-1.6,2.8) E7(1.6,2.8) E8(2.4,2.8) E9(3.2,2.8) F1(-3.2,2) F2(-2.4,2) F3(-1.6,2) F7(1.6,2) F8(2.4,2) F9(3.2,2) G1(-3.2,1.2) G2(-2.4,1.2) G3(-1.6,1.2) G7(1.6,1.2) G8(2.4,1.2) G9(3.2,1.2) H1(-3.2,0.4) H2(-2.4,0.4) H3(-1.6,0.4) H7(1.6,0.4) H8(2.4,0.4) H9(3.2,0.4) J1(-3.2,-0.4) J2(-2.4,-0.4) J3(-1.6,-0.4) J7(1.6,-0.4) J8(2.4,-0.4) J9(3.2,-0.4) K1(-3.2,-1.2) K2(-2.4,-1.2) K3(-1.6,-1.2) K7(1.6,-1.2) K8(2.4,-1.2) K9(3.2,-1.2) L1(-3.2,-2) L2(-2.4,-2) L3(-1.6,-2) L7(1.6,-2) L8(2.4,-2) L9(3.2,-2) M1(-3.2,-2.8) M2(-2.4,-2.8) M3(-1.6,-2.8) M7(1.6,-2.8) M8(2.4,-2.8) M9(3.2,-2.8) N1(-3.2,-3.6) N2(-2.4,-3.6) N3(-1.6,-3.6) N7(1.6,-3.6) N8(2.4,-3.6) N9(3.2,-3.6) P1(-3.2,-4.4) P2(-2.4,-4.4) P3(-1.6,-4.4) P7(1.6,-4.4) P8(2.4,-4.4) P9(3.2,-4.4) R1(-3.2,-5.2) R2(-2.4,-5.2) R3(-1.6,-5.2) R7(1.6,-5.2) R8(2.4,-5.2) R9(3.2,-5.2) T1(-3.2,-6) T2(-2.4,-6) T3(-1.6,-6) T7(1.6,-6) T8(2.4,-6) T9(3.2,-6)
  silkscreen extent -4.1,5.5 -2.6,7, body extent -3.75,-6.65 3.75,6.65, height 1.2
C&K_KMR211G [mm] "SMT_4"
  rect 2x1 smd: 1(-2.54,0.8) 2(-2.54,-0.8) 3(2.54,0.8) 4(2.54,-0.8)
  silkscreen extent -2.6,-1.78 1.65,1.82, body extent -2.07,-1.37 2.13,1.43, height 2.2
C&K_TS01ABE [mm] "Through-Hole_5"
  round 2 hole 1.1: 1(-2.54,0) 2(0,0) 3(2.54,0) ""(-2.54,5.08) ""(2.54,5.08)
  silkscreen extent -4.07,-1.17 4.06,5.59, body extent -5,-1.66 5.2,11.46, height 5.27
"CAPC1005X05 (0402)" [mm] "CMS_2 ; Chip Capacitor, 2-Leads, Body 1.00x0.50mm, IPC Medium Density"
  rect 0.55x0.45 smd mask+0.02: 1(0.508,0) 2(-0.508,0)
CAPC1608X08 [mm] "CMS_2 ; Chip Capacitor, 2-Leads, Body 1.60x0.80mm, IPC Medium Density"
  rect 0.8x1 smd: 1(-0.9,0) 2(0.9,0)
  silkscreen extent -0.25,-0.55 0.25,0.55, body extent -0.8,-0.4 0.8,0.4, height 0.8
CAPC100100X102 [mm] "CMS_2 ; Aluminum Electrolytic Capacitor, Body 10.00x10.00x10.20mm, IPC Low Density"
  rect 5x1.5 smd: 1(-4.953,0) 2(4.953,0)
  silkscreen extent -5.52,-5 5,5, body extent -5,-5 5,5, height 10.2
"CLIFF ELECTRONIC COMPONENTS_FC681465P" [mm] "Through-Hole_3 ; Support Alim 9V"
  round 2.7 hole 1.6: 1(6.2,0) 2(3.1,-5) 3(0,0)
  silkscreen extent -4.25,-4.5 7.37,4.5, body extent -7.55,-4.8 6.95,4.7, height 3.03
CONN4-292304 [mm]
  round 1.7 hole 1: 1(2.5,-1.444) 2(0,-1.444) 3(0,-3.444) 4(2.5,-3.444)
  round 0 hole 2.4 unplated: ""(-4.77,-6.154) ""(7.27,-6.154)
  silkscreen extent -4.9,-12 7.4,-0.05, body extent -4.8,-16.7 7.25,-0.7, height 11.53
CONN_1241050-2_T [mm] "Header_4"
  rect 0.8x3.2 smd paste+0: 1(1.27,-3.302) 2(1.27,3.429) 3(-1.27,-3.302) 4(-1.27,3.429)
  silkscreen extent -2.67,-3.6 2.67,2.67, body extent -2.54,-4.13 2.54,4.13, height 8.61
CONN_1241050-3_T [mm] "Header_6"
  rect 0.8x3.2 smd paste+0 mask+0.1: 1(-2.54,3.429) 2(-2.54,-3.429) 3(0,3.429) 4(0,-3.429) 5(2.54,3.429)
  rect 0.8x3.2 smd mask+0.1: 6(2.54,-3.429)
  silkscreen extent -3.9,-2.67 3.89,3.7, body extent -3.81,-4.13 3.81,4.13, height 8.61
CONN_1241050-8_T [mm] "Header_16"
  rect 0.8x3.2 smd paste+0 mask+0.1: 1(-8.89,3.429) 2(-8.89,-3.429) 3(-6.35,3.429) 4(-6.35,-3.429) 5(-3.81,3.429) 7(-1.27,3.429) 8(-1.27,-3.429) 9(1.27,3.429) 10(1.27,-3.429) 11(3.81,3.429) 13(6.35,3.429) 14(6.35,-3.429) 15(8.89,3.429) 16(8.89,-3.429)
  rect 0.8x3.2 smd mask+0.1: 6(-3.81,-3.429) 12(3.81,-3.429)
  silkscreen extent -10.25,-2.67 10.24,3.7, body extent -10.16,-4.13 10.16,4.13, height 8.61
CRSLT [mm] "QFN_48"
  rect 0.85x0.19 smd mask+0.05: 1(-2.975,2.2) 2(-2.975,1.8) 3(-2.975,1.4) 4(-2.975,1) 5(-2.975,0.6) 6(-2.975,0.2) 7(-2.975,-0.2) 8(-2.975,-0.6) 9(-2.975,-1) 10(-2.975,-1.4) 11(-2.975,-1.8) 12(-2.975,-2.2) 25(2.975,-2.2) 26(2.975,-1.8) 27(2.975,-1.4) 28(2.975,-1) 29(2.975,-0.6) 30(2.975,-0.2) 31(2.975,0.2) 32(2.975,0.6) 33(2.975,1) 34(2.975,1.4) 35(2.975,1.8) 36(2.975,2.2)
  rect 0.19x0.85 smd mask+0.05: 13(-2.2,-2.975) 14(-1.8,-2.975) 15(-1.4,-2.975) 16(-1,-2.975) 17(-0.6,-2.975) 18(-0.2,-2.975) 19(0.2,-2.975) 20(0.6,-2.975) 21(1,-2.975) 22(1.4,-2.975) 23(1.8,-2.975) 24(2.2,-2.975) 37(2.2,2.975) 38(1.8,2.975) 39(1.4,2.975) 40(1,2.975) 41(0.6,2.975) 42(0.2,2.975) 43(-0.2,2.975) 44(-0.6,2.975) 45(-1,2.975) 46(-1.4,2.975) 47(-1.8,2.975) 48(-2.2,2.975)
  rect 3.7x3.7 smd paste-5: 49(0,0)
  silkscreen extent -3.8,-3.33 3.33,3.33, body extent -3.13,-3.13 3.13,3.13, height 0.92
D8-M [mm] "SOIC_8"
  rect 2x0.7 smd paste+0: 1(-2.794,1.905) 2(-2.794,0.635) 3(-2.794,-0.635) 4(-2.794,-1.905) 5(2.794,-1.905) 6(2.794,-0.635) 7(2.794,0.635) 8(2.794,1.905)
  silkscreen extent -2.83,-2.63 2.12,2.75, body extent -3.1,-2.5 3.1,2.5, height 1.76
D14-M [mm] "SOIC_14"
  rect 1.7x0.7 smd paste+0: 1(-3.023,3.81) 2(-3.023,2.54) 3(-3.023,1.27) 4(-3.023,0) 5(-3.023,-1.27) 6(-3.023,-2.54) 7(-3.023,-3.81) 8(3.023,-3.81) 9(3.023,-2.54) 10(3.023,-1.27) 11(3.023,0) 12(3.023,1.27) 13(3.023,2.54) 14(3.023,3.81)
  silkscreen extent -2.75,-4.5 2.12,4.67, body extent -3.1,-4.37 3.1,4.37, height 1.76
DBV6-M [mm] "SOT-23_6"
  rect 1.8x0.6 smd paste+0: 1(-1.422,0.95) 2(-1.422,0) 3(-1.422,-0.95) 4(1.422,-0.95) 5(1.422,0) 6(1.422,0.95)
  silkscreen extent -1.6,-1.65 1,1.77, body extent -1.5,-1.52 1.5,1.52, height 1.45
DCK5 [mm] "SC-70_5"
  rect 1.2x0.4 smd mask+0.07: 1(-1.165,0.65) 2(-1.165,0) 3(-1.165,-0.65) 4(1.165,-0.65) 5(1.165,0.65)
  silkscreen extent -1.35,-1.21 0.83,1.32, body extent -1.19,-1.08 1.19,1.08, height 1.09
IND2012X8 [mm] "ferrite 2012"
  rect 0.8x1.2 smd mask+0.051: 1(2.2,0) 2(0,0)
  silkscreen extent 0.65,-0.5 1.55,0.5
INDM1608X08N [mm] "CMS_2 ; Molded Inductor, 2-Leads, Body 1.60x0.80mm, IPC Medium Density"
  rect 0.8x1 smd: 1(-0.9,0) 2(0.9,0)
  silkscreen extent -0.2,-0.6 0.2,0.6, body extent -0.8,-0.4 0.8,0.4, height 0.8
INDM2612X12N [mm] "CMS_2 ; Molded Inductor, 2-Leads, Body 2.60x1.25mm, IPC Medium Density"
  rect 1x1.4 smd: 1(-1.143,0) 2(1.143,0)
  silkscreen extent -0.3,-0.9 0.3,0.9, body extent -1,-0.63 1,0.62, height 1.25
LED_LNJ [mm] "CMS_2"
  rect 1.2x1.2 smd paste+0: 1(-1,0) 2(1,0)
  silkscreen extent -1.9,-0.9 -0.5,0.9, body extent -0.87,-0.47 0.88,0.48, height 0.42
MALE-PAV16X-2x05 [mm] "Header_2x20"
  rect 2.5x0.8 smd: 1(-2.7,12.065) 2(2.7,12.065) 3(-2.7,10.795) 4(2.7,10.795) 5(-2.7,9.525) 6(2.7,9.525) 7(-2.7,8.255) 8(2.7,8.255) 9(-2.7,6.985) 10(2.7,6.985) 11(-2.7,5.715) 12(2.7,5.715) 13(-2.7,4.445) 14(2.7,4.445) 15(-2.7,3.175) 16(2.7,3.175) 17(-2.7,1.905) 18(2.7,1.905) 19(-2.7,0.635) 20(2.7,0.635) 21(-2.7,-0.635) 22(2.7,-0.635) 23(-2.7,-1.905) 24(2.7,-1.905) 25(-2.7,-3.175) 26(2.7,-3.175) 27(-2.7,-4.445) 28(2.7,-4.445) 29(-2.7,-5.715) 30(2.7,-5.715) 31(-2.7,-6.985) 32(2.7,-6.985) 33(-2.7,-8.255) 34(2.7,-8.255) 35(-2.7,-9.525) 36(2.7,-9.525) 37(-2.7,-10.795) 38(2.7,-10.795) 39(-2.7,-12.065) 40(2.7,-12.065)
  silkscreen extent -2.9,-13.33 1.7,13.5
MF03A-M [mm] "SOT-23_3"
  rect 0.7x1.5 smd paste+0: 1(-0.952,-1.156) 2(0.953,-1.156) 3(0,1.156)
  silkscreen extent -2,-1.5 1.65,0.83
MP04A [mm] "SOT-223_4"
  rect 2.7x1.3 smd paste+0: 1(-3.308,2.3) 2(-3.308,0) 3(-3.308,-2.3)
  rect 2.7x4.1 smd paste+0: 4(3.345,0)
  silkscreen extent -1.97,-3.5 1.97,3.5, body extent -3.64,-3.35 3.65,3.35, height 1.81
Pad [mm]
  round 1.5 smd paste-5: 1(0,0)
"PRO SIGNAL_PSG03463" [mm] "Through-Hole_7"
  round 2.3 hole 1.4: 1(0,-5.5) 2(7.5,-5.5) 3(-7.5,-5.5) 4(5,-8) 5(-5,-8) ""(-5,4.5) ""(5,4.5)
  silkscreen extent -10.5,-12 10.5,2.75, body extent -10.5,-12 10.5,7
RESC1608X05 [mm] "CMS_2 ; Chip Resistor, 2-Leads, Body 1.60x0.80mm, IPC Medium Density"
  rect 1x1 smd: 1(-0.9,0) 2(0.9,0)
  silkscreen extent -0.18,-0.55 0.18,0.53, body extent -0.8,-0.4 0.8,0.4, height 0.45
SOD323-M [mm] "SOD-323F_2"
  rect 1.5x0.6 smd paste+0: 1(-1.201,0) 2(1.201,0)
  silkscreen extent -1.03,-0.83 0,0.83, body extent -1.35,-0.7 1.35,0.7, height 0.81
SOIC127P970X356-8N [mm] "DIP-SURFACE_8 ; SOIC, 8-Leads, Body 9.65x6.35mm, Pitch 1.27mm, IPC Medium Density"
  rect 2.5x1.016 smd: 1(-4.735,3.875) 4(-4.735,-3.745) 5(4.735,-3.745) 8(4.735,3.875)
  rect 2.5x1.27 smd: 2(-4.735,1.335) 3(-4.735,-1.205) 6(4.735,-1.205) 7(4.735,1.335)
  silkscreen extent -3.3,-5.05 3.3,5.92, body extent -3.2,-4.85 3.2,4.85, height 3.56
SON440P360X120-4N [mm] "SON, 4-Leads, Body 6.00x3.60mm, Pitch 4.40mm, IPC Medium Density"
  rect 1.4x1.8 smd: 1(-1.2,2.2) 2(-1.2,-2.2) 3(1.2,-2.2) 4(1.2,2.2)
  silkscreen extent -2.9,-3.4 2.2,3.4, body extent -1.8,-3 1.8,3, height 1.2
SON550P380X250-4N [mm] "SON, 4-Leads, Body 8.70x3.80mm, Pitch 5.50mm, IPC Medium Density"
  rect 1.6x0.7 smd: 1(-1.15,2.75) 2(-1.15,-2.75) 3(1.15,-2.75) 4(1.15,2.75)
  silkscreen extent -2.7,-4.55 2.12,4.55, body extent -1.9,-4.35 1.9,4.35, height 2.5
SOT95P234X111-3N [mm] "SOT23_3 ; SOT23, 3-Leads, Body 2.92x2.34mm, Pitch 0.95mm, IPC Medium Density"
  rect 1.5x1 smd: 1(-1.393,0.95) 2(-1.393,-0.95) 3(1.393,0)
  silkscreen extent -1.3,-1.73 0.9,2, body extent -0.7,-1.52 0.7,1.52, height 1.11
SOT95P280X130-5N [mm] "SOT23_5 ; SOT23, 5-Leads, Body 2.91x2.80mm, Pitch 0.95mm, IPC Medium Density"
  rect 1.4x0.7 smd mask+0.07: 1(-1.677,0.95) 2(-1.677,0) 3(-1.677,-0.95) 4(1.677,-0.95) 5(1.677,0.95)
  silkscreen extent -1.8,-1.73 0.85,2, body extent -0.88,-1.51 0.87,1.51, height 1.3
SOT230P715X180-4N [mm] "SOT223_4 ; SOT223, 4-Leads, Body 6.60x7.15mm (avg), Pitch 2.30mm, IPC Medium Density"
  rect 2.2x1.4 smd: 1(-3.075,2.3) 2(-3.075,0) 3(-3.075,-2.3)
  rect 2.2x3.3 smd: 4(3.075,0)
  silkscreen extent -2.95,-3.55 2.07,3.55, body extent -1.88,-3.35 1.88,3.35, height 1.8
TE_4-1734592-0 [mm] "CMS_42"
  rect 0.3x1.5 smd mask+0.05: 1(-19.5,-0.508) 2(-19,-0.508) 3(-18.5,-0.508) 4(-18,-0.508) 5(-17.5,-0.508) 6(-17,-0.508) 7(-16.5,-0.508) 8(-16,-0.508) 9(-15.5,-0.508) 10(-15,-0.508) 11(-14.5,-0.508) 12(-14,-0.508) 13(-13.5,-0.508) 14(-13,-0.508) 15(-12.5,-0.508) 16(-12,-0.508) 17(-11.5,-0.508) 18(-11,-0.508) 19(-10.5,-0.508) 20(-10,-0.508) 21(-9.5,-0.508) 22(-9,-0.508) 23(-8.5,-0.508) 24(-8,-0.508) 25(-7.5,-0.508) 26(-7,-0.508) 27(-6.5,-0.508) 28(-6,-0.508) 29(-5.5,-0.508) 30(-5,-0.508) 31(-4.5,-0.508) 32(-4,-0.508) 33(-3.5,-0.508) 34(-3,-0.508) 35(-2.5,-0.508) 36(-2,-0.508) 37(-1.5,-0.508) 38(-1,-0.508) 39(-0.5,-0.508) 40(0,-0.508)
  rect 2.5x3.2 smd: ""(-21.913,1.016) ""(2.413,1.016)
  silkscreen extent -22.86,-1.3 3.3,4.7, body extent 0,0 0.25,0.25, height 0.25
TSSOP14_MC-M [mm] "TSSOP_14"
  rect 1.7x0.4 smd mask+0.06: 1(-3.124,1.95) 2(-3.124,1.3) 3(-3.124,0.65) 4(-3.124,0) 5(-3.124,-0.65) 6(-3.124,-1.3) 7(-3.124,-1.95) 8(3.124,-1.95) 9(3.124,-1.3) 10(3.124,-0.65) 11(3.124,0) 12(3.124,0.65) 13(3.124,1.3) 14(3.124,1.95)
  silkscreen extent -3.1,-2.68 2.37,2.9, body extent -3.2,-2.55 3.2,2.55, height 1.2
TSSOP28_PCM3060 [mm] "TSSOP_28"
  rect 0.35x1.6 smd: 1(-4.225,-2.8) 2(-3.575,-2.8) 3(-2.925,-2.8) 4(-2.275,-2.8) 5(-1.625,-2.8) 6(-0.975,-2.8) 7(-0.325,-2.8) 8(0.325,-2.8) 9(0.975,-2.8) 10(1.625,-2.8) 11(2.275,-2.8) 12(2.925,-2.8) 13(3.575,-2.8) 14(4.225,-2.8) 15(4.225,2.8) 16(3.575,2.8) 17(2.925,2.8) 18(2.275,2.8) 19(1.625,2.8) 20(0.975,2.8) 21(0.325,2.8) 22(-0.325,2.8) 23(-0.975,2.8) 24(-1.625,2.8) 25(-2.275,2.8) 26(-2.925,2.8) 27(-3.575,2.8) 28(-4.225,2.8)
  silkscreen extent -5.1,-3 5,2.25
TSSOP50P2000X120-48N [mm] "TSSOP, 48-Leads, Body 12.01x18.40mm, Pitch 0.50mm, IPC Medium Density"
  rect 1.7x0.3 smd: 1(-49.55,28.75) 2(-49.55,28.25) 3(-49.55,27.75) 4(-49.55,27.25) 5(-49.55,26.75) 6(-49.55,26.25) 7(-49.55,25.75) 8(-49.55,25.25) 9(-49.55,24.75) 10(-49.55,24.25) 11(-49.55,23.75) 12(-49.55,23.25) 13(-49.55,22.75) 14(-49.55,22.25) 15(-49.55,21.75) 16(-49.55,21.25) 17(-49.55,20.75) 18(-49.55,20.25) 19(-49.55,19.75) 20(-49.55,19.25) 21(-49.55,18.75) 22(-49.55,18.25) 23(-49.55,17.75) 24(-49.55,17.25) 25(-29.25,17.25) 26(-29.25,17.75) 27(-29.25,18.25) 28(-29.25,18.75) 29(-29.25,19.25) 30(-29.25,19.75) 31(-29.25,20.25) 32(-29.25,20.75) 33(-29.25,21.25) 34(-29.25,21.75) 35(-29.25,22.25) 36(-29.25,22.75) 37(-29.25,23.25) 38(-29.25,23.75) 39(-29.25,24.25) 40(-29.25,24.75) 41(-29.25,25.25) 42(-29.25,25.75) 43(-29.25,26.25) 44(-29.25,26.75) 45(-29.25,27.25) 46(-29.25,27.75) 47(-29.25,28.25) 48(-29.25,28.75)
  silkscreen extent -49.45,16.67 -30.25,29.47, body extent -48.65,16.95 -30.15,29.05, height 1.2
"WURTH ELEKTRONIK_693072010801" [mm]
  rect 0.8x1.5 smd: 1(3.2,0) 2(2.1,0) 3(1,0) 4(-0.1,0) 5(-1.2,0) 6(-2.3,0) 7(-3.4,0) 8(-4.5,0)
  rect 1.45x2 smd: ""(-6.875,-2.6) ""(-6.875,5.7) ""(6.875,-2.6) ""(6.875,5.7)
  silkscreen extent -6.8,-4.15 6.8,9.55